# Altium PCB CHAHARDOLI-7 ADAD METAL.PcbDoc (part 5 of 11)
Units mm, origin at the board's own origin, x right, y up, seen from the top; angles counter-clockwise.
Board outline 151 x 86.38 mm, 2 copper layers (Top Layer, Bottom Layer); 1496 components, 81 nets, 3725 pads, 848 vias.
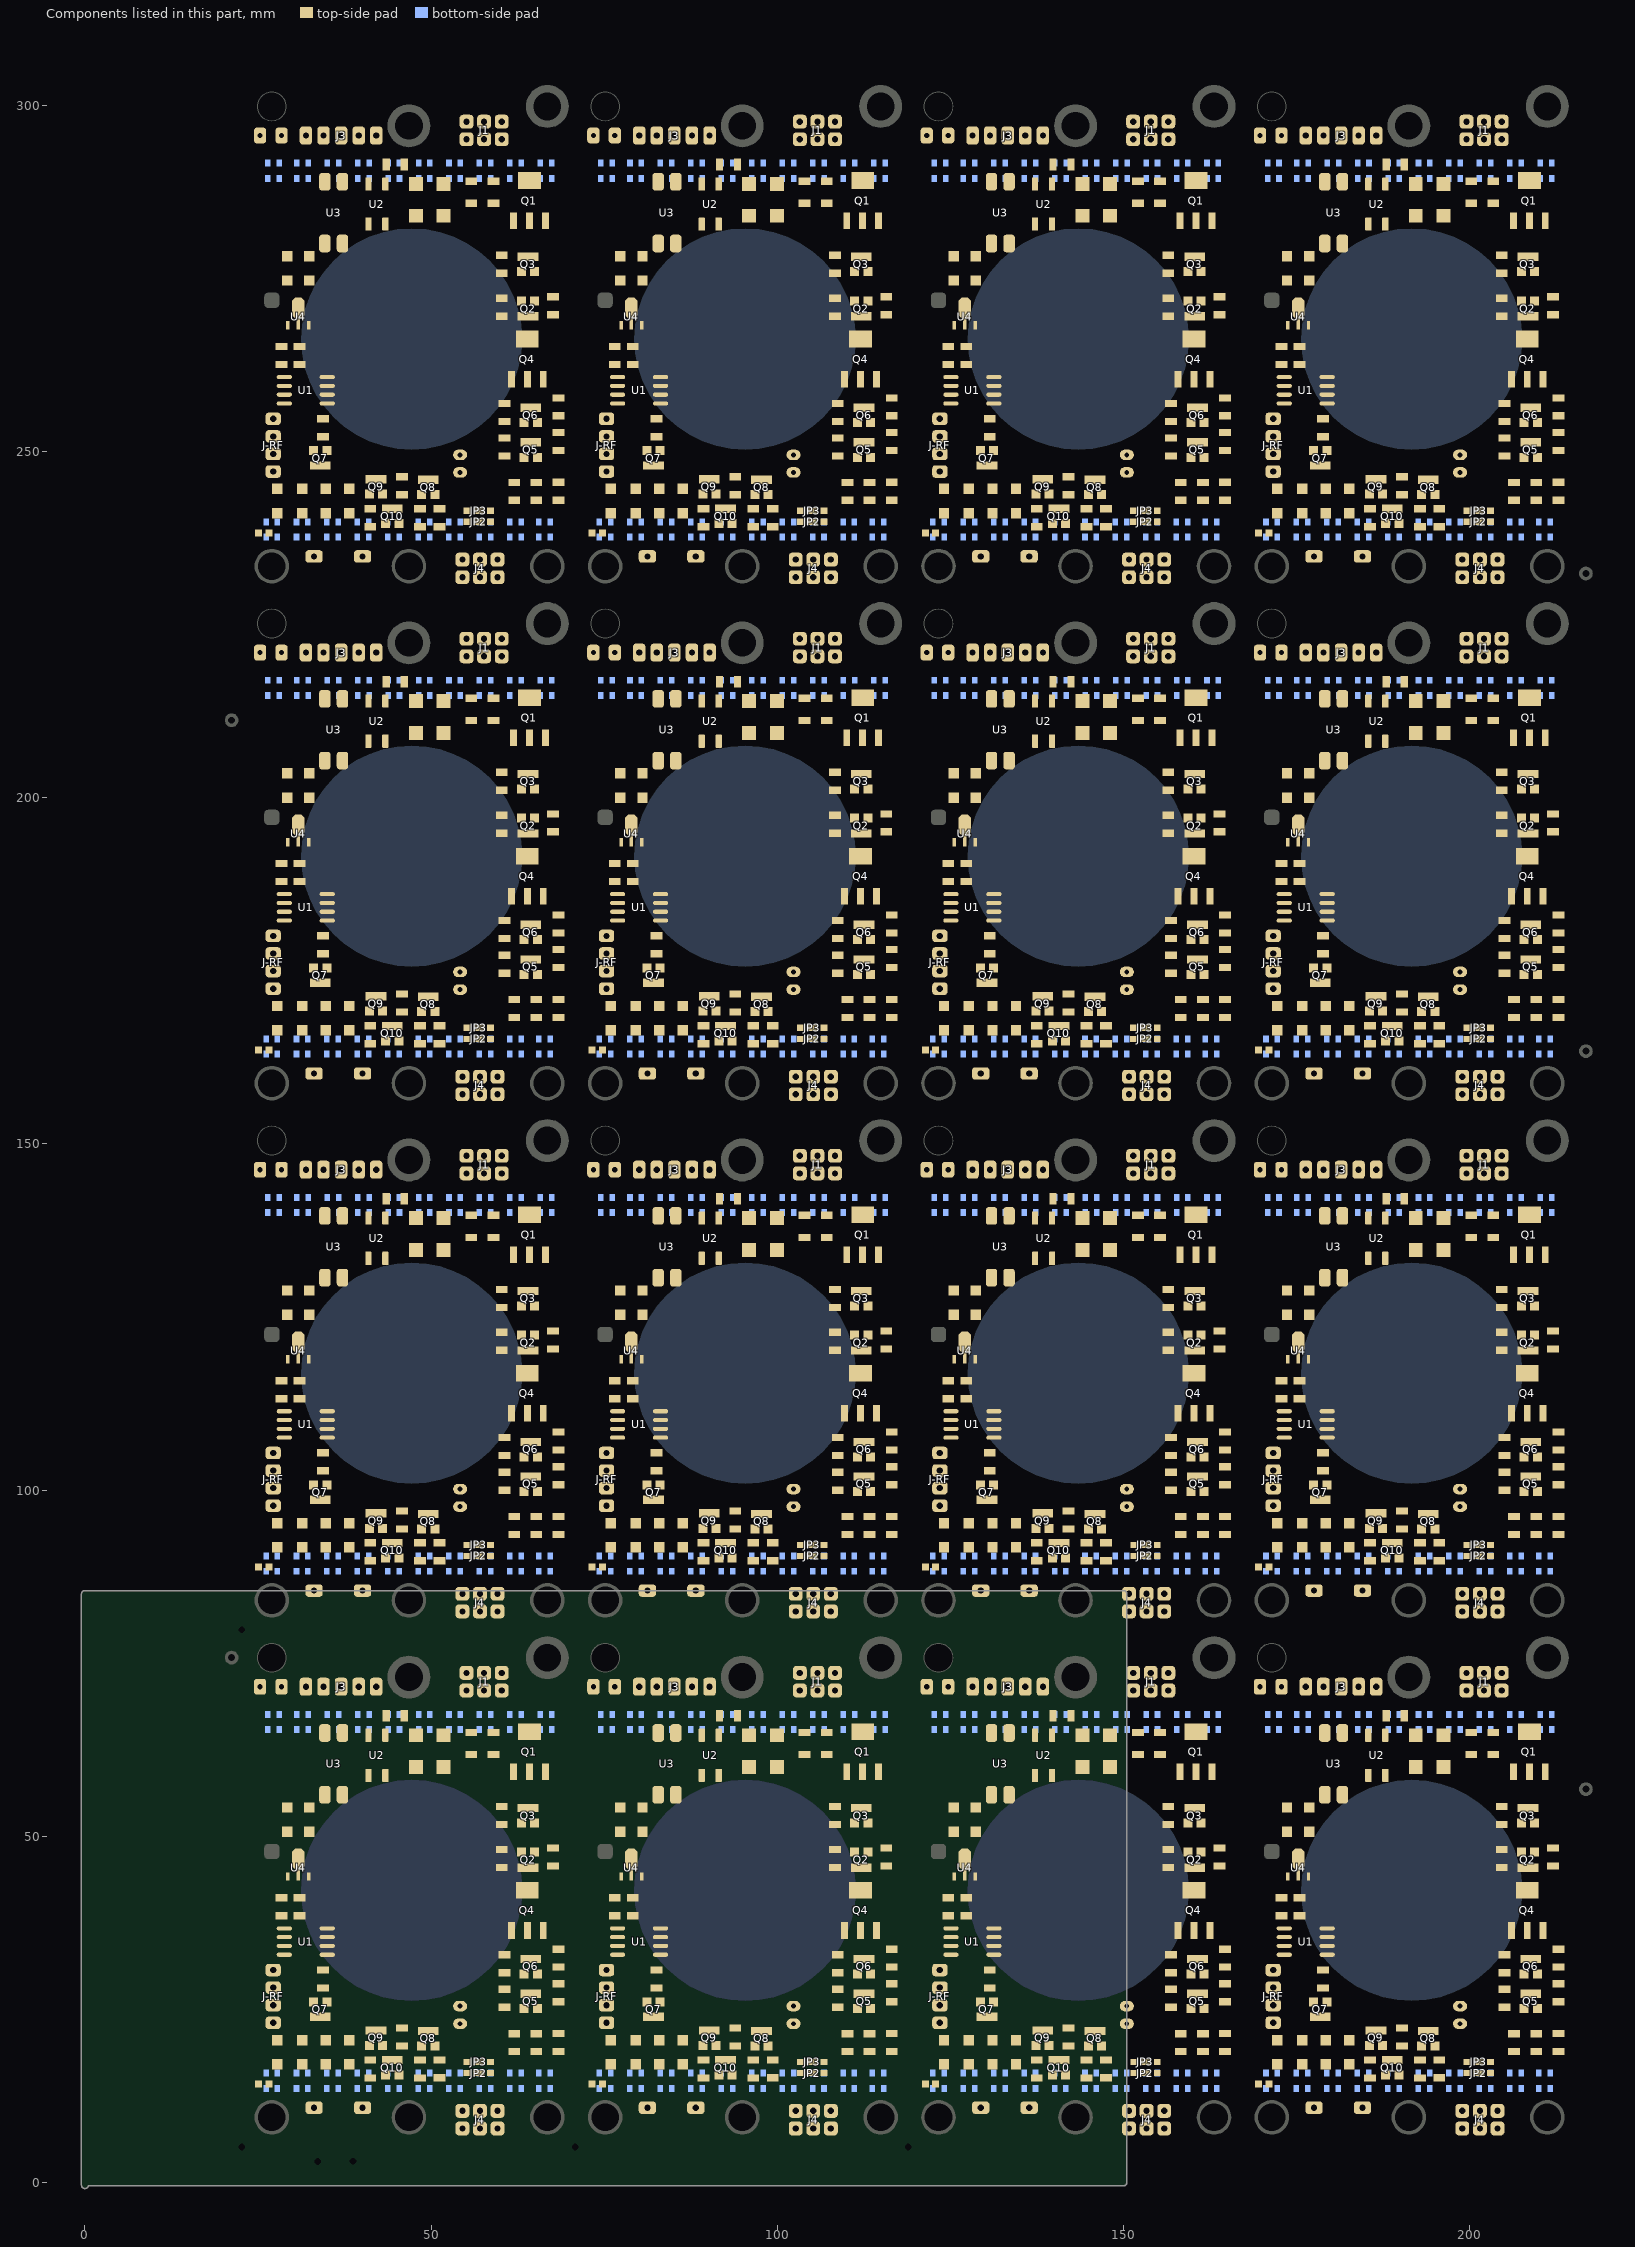
[diagram p5: the components of this part, seen from the top]

## Via types
v1: diameter 1.2, hole 0.6, Top Layer to Bottom Layer, tented both sides, 464 vias
v2: diameter 0.9, hole 0.6, Top Layer to Bottom Layer, tented both sides, 128 vias
v3: diameter 1, hole 0.6, Top Layer to Bottom Layer, tented both sides, 128 vias
v4: diameter 1.27, hole 0.6, Top Layer to Bottom Layer, tented both sides, 112 vias
v5: diameter 1.27, hole 0.711, Top Layer to Bottom Layer, tented both sides, 16 vias

## Nets (pads, with @x,y where several pads share a name; then routed paths per layer and width w, separated by ;. In a path a pad name is that pad's centre, name@x,y a point inside that pad or via, vN(x,y) a via of type N, cw(c..) or ccw(c..) an arc to the next point about the centre after c; other vN are vias at no path point) (continued)
pads on no net: R.1@78.707,90.488 R.1@78.707,165.176 R.1@78.707,239.864 R.1@80.383,65.4 R.1@80.383,140.088 R.1@80.383,214.776 R.1@80.383,289.464 R.1@87.507,15.8 R.1@87.507,90.488 R.1@87.507,165.176 R.1@87.507,239.864 R.1@89.183,65.4 R.1@89.183,140.088 R.1@89.183,214.776 R.1@89.183,289.464 R.1@96.307,15.8 R.1@96.307,90.488 R.1@96.307,165.176 R.1@96.307,239.864 R.1@97.983,65.4 R.1@97.983,140.088 R.1@97.983,214.776 R.1@97.983,289.464 R.1@105.107,15.8 R.1@105.107,90.488 R.1@105.107,165.176 R.1@105.107,239.864 R.1@106.783,65.4 R.1@106.783,140.088 R.1@106.783,214.776 R.1@106.783,289.464 R.1@113.707,15.8 R.1@113.707,90.488 R.1@113.707,165.176 R.1@113.707,239.864 R.1@115.583,65.4 R.1@115.583,140.088 R.1@115.583,214.776 R.1@115.583,289.464 R.1@126.852,15.8 R.1@126.852,90.488 R.1@126.852,165.176 R.1@126.852,239.864 R.1@128.528,65.4 R.1@128.528,140.088 R.1@128.528,214.776 R.1@128.528,289.464 R.1@135.652,15.8 R.1@135.652,90.488 R.1@135.652,165.176 R.1@135.652,239.864 R.1@137.328,65.4 R.1@137.328,140.088 R.1@137.328,214.776 R.1@137.328,289.464 R.1@144.452,15.8 R.1@144.452,90.488 R.1@144.452,165.176 R.1@144.452,239.864 R.1@146.128,65.4 R.1@146.128,140.088 R.1@146.128,214.776 R.1@146.128,289.464 R.1@153.252,15.8 R.1@153.252,90.488 R.1@153.252,165.176 R.1@153.252,239.864 R.1@154.928,65.4 R.1@154.928,140.088 R.1@154.928,214.776 R.1@154.928,289.464 R.1@161.852,15.8 R.1@161.852,90.488 R.1@161.852,165.176 R.1@161.852,239.864 R.1@163.728,65.4 R.1@163.728,140.088 R.1@163.728,214.776 R.1@163.728,289.464 R.1@174.997,15.8 R.1@174.997,90.488 R.1@174.997,165.176 R.1@174.997,239.864 R.1@176.674,65.4 R.1@176.674,140.088 R.1@176.674,214.776 R.1@176.674,289.464 R.1@183.797,15.8 R.1@183.797,90.488 R.1@183.797,165.176 R.1@183.797,239.864 R.1@185.474,65.4 R.1@185.474,140.088 R.1@185.474,214.776 R.1@185.474,289.464 R.1@192.597,15.8 R.1@192.597,90.488 R.1@192.597,165.176 R.1@192.597,239.864 R.1@194.274,65.4 R.1@194.274,140.088 R.1@194.274,214.776 R.1@194.274,289.464 R.1@201.397,15.8 R.1@201.397,90.488 R.1@201.397,165.176 R.1@201.397,239.864 R.1@203.074,65.4 R.1@203.074,140.088 R.1@203.074,214.776 R.1@203.074,289.464 R.1@209.997,15.8 R.1@209.997,90.488 R.1@209.997,165.176 R.1@209.997,239.864 R.1@211.874,65.4 R.1@211.874,140.088 R.1@211.874,214.776 R.1@211.874,289.464 R.2@30.588,140.088 R.2@30.588,214.776 R.2@30.588,289.464 R.2@32.212,90.488 R.2@32.212,165.176 R.2@32.212,239.864 R.2@39.388,140.088 R.2@39.388,214.776 R.2@39.388,289.464 R.2@41.012,90.488 R.2@41.012,165.176 R.2@41.012,239.864 R.2@48.188,140.088 R.2@48.188,214.776 R.2@48.188,289.464 R.2@49.812,90.488 R.2@49.812,165.176 R.2@49.812,239.864 R.2@56.988,140.088 R.2@56.988,214.776 R.2@56.988,289.464 R.2@58.612,90.488 R.2@58.612,165.176 R.2@58.612,239.864 R.2@65.788,140.088 R.2@65.788,214.776 R.2@65.788,289.464 R.2@67.212,90.488 R.2@67.212,165.176 R.2@67.212,239.864 R.2@78.733,65.4 R.2@78.733,140.088 R.2@78.733,214.776 R.2@78.733,289.464 R.2@80.357,15.8 R.2@80.357,90.488 R.2@80.357,165.176 R.2@80.357,239.864 R.2@87.533,65.4 R.2@87.533,140.088 R.2@87.533,214.776 R.2@87.533,289.464 R.2@89.157,15.8 R.2@89.157,90.488 R.2@89.157,165.176 R.2@89.157,239.864 R.2@96.333,65.4 R.2@96.333,140.088 R.2@96.333,214.776 R.2@96.333,289.464 R.2@97.957,15.8 R.2@97.957,90.488 R.2@97.957,165.176 R.2@97.957,239.864 R.2@105.133,65.4 R.2@105.133,140.088 R.2@105.133,214.776 R.2@105.133,289.464 R.2@106.757,15.8 R.2@106.757,90.488 R.2@106.757,165.176 R.2@106.757,239.864 R.2@113.933,65.4 R.2@113.933,140.088 R.2@113.933,214.776 R.2@113.933,289.464 R.2@115.357,15.8 R.2@115.357,90.488 R.2@115.357,165.176 R.2@115.357,239.864 R.2@126.878,65.4 R.2@126.878,140.088 R.2@126.878,214.776 R.2@126.878,289.464 R.2@128.502,15.8 R.2@128.502,90.488 R.2@128.502,165.176 R.2@128.502,239.864 R.2@135.678,65.4 R.2@135.678,140.088 R.2@135.678,214.776 R.2@135.678,289.464 R.2@137.302,15.8 R.2@137.302,90.488 R.2@137.302,165.176 R.2@137.302,239.864 R.2@144.478,65.4 R.2@144.478,140.088 R.2@144.478,214.776 R.2@144.478,289.464 R.2@146.102,15.8 R.2@146.102,90.488 R.2@146.102,165.176 R.2@146.102,239.864 R.2@153.278,65.4 R.2@153.278,140.088 R.2@153.278,214.776 R.2@153.278,289.464 R.2@154.902,15.8 R.2@154.902,90.488 R.2@154.902,165.176 R.2@154.902,239.864 R.2@162.078,65.4 R.2@162.078,140.088 R.2@162.078,214.776 R.2@162.078,289.464 R.2@163.502,15.8 R.2@163.502,90.488 R.2@163.502,165.176 R.2@163.502,239.864 R.2@175.024,65.4 R.2@175.024,140.088 R.2@175.024,214.776 R.2@175.024,289.464 R.2@176.647,15.8 R.2@176.647,90.488 R.2@176.647,165.176 R.2@176.647,239.864 R.2@183.824,65.4 R.2@183.824,140.088 R.2@183.824,214.776 R.2@183.824,289.464 R.2@185.447,15.8 R.2@185.447,90.488 R.2@185.447,165.176 R.2@185.447,239.864 R.2@192.624,65.4 R.2@192.624,140.088 R.2@192.624,214.776 R.2@192.624,289.464 R.2@194.247,15.8 R.2@194.247,90.488 R.2@194.247,165.176 R.2@194.247,239.864 R.2@201.424,65.4 R.2@201.424,140.088 R.2@201.424,214.776 R.2@201.424,289.464 R.2@203.047,15.8 R.2@203.047,90.488 R.2@203.047,165.176 R.2@203.047,239.864 R.2@210.224,65.4 R.2@210.224,140.088 R.2@210.224,214.776 R.2@210.224,289.464 R.2@211.647,15.8 R.2@211.647,90.488 R.2@211.647,165.176 R.2@211.647,239.864 U1.1@35,107.583 U1.1@35,182.271 U1.1@35,256.959 U1.1@83.145,32.895 U1.1@83.145,107.583 U1.1@83.145,182.271 U1.1@83.145,256.959 U1.1@131.29,32.895 U1.1@131.29,107.583 U1.1@131.29,182.271 U1.1@131.29,256.959 U1.1@179.435,32.895 U1.1@179.435,107.583 U1.1@179.435,182.271 U1.1@179.435,256.959 U1.2@35,108.853 U1.2@35,183.541 U1.2@35,258.229 U1.2@83.145,34.165 U1.2@83.145,108.853 U1.2@83.145,183.541 U1.2@83.145,258.229 U1.2@131.29,34.165 U1.2@131.29,108.853 U1.2@131.29,183.541 U1.2@131.29,258.229 U1.2@179.435,34.165 U1.2@179.435,108.853 U1.2@179.435,183.541 U1.2@179.435,258.229 U1.3 U1.4@35,111.393 U1.4@35,186.081 U1.4@35,260.769 U1.4@83.145,36.705 U1.4@83.145,111.393 U1.4@83.145,186.081 U1.4@83.145,260.769 U1.4@131.29,36.705 U1.4@131.29,111.393 U1.4@131.29,186.081 U1.4@131.29,260.769 U1.4@179.435,36.705 U1.4@179.435,111.393 U1.4@179.435,186.081 U1.4@179.435,260.769 U1.5@28.8,111.393 U1.5@28.8,186.081 U1.5@28.8,260.769 U1.5@76.945,36.705 U1.5@76.945,111.393 U1.5@76.945,186.081 U1.5@76.945,260.769 U1.5@125.09,36.705 U1.5@125.09,111.393 U1.5@125.09,186.081 U1.5@125.09,260.769 U1.5@173.235,36.705 U1.5@173.235,111.393 U1.5@173.235,186.081 U1.5@173.235,260.769 U1.6@28.8,110.123 U1.6@28.8,184.811 U1.6@28.8,259.499 U1.6@76.945,35.435 U1.6@76.945,110.123 U1.6@76.945,184.811 U1.6@76.945,259.499 U1.6@125.09,35.435 U1.6@125.09,110.123 U1.6@125.09,184.811 U1.6@125.09,259.499 U1.6@173.235,35.435 U1.6@173.235,110.123 U1.6@173.235,184.811 U1.6@173.235,259.499 U1.7@28.8,108.853 U1.7@28.8,183.541 U1.7@28.8,258.229 U1.7@76.945,34.165 U1.7@76.945,108.853 U1.7@76.945,183.541 U1.7@76.945,258.229 U1.7@125.09,34.165 U1.7@125.09,108.853 U1.7@125.09,183.541 U1.7@125.09,258.229 U1.7@173.235,34.165 U1.7@173.235,108.853 U1.7@173.235,183.541 U1.7@173.235,258.229 U1.8@28.8,107.583 U1.8@28.8,182.271 U1.8@28.8,256.959 U1.8@76.945,32.895 U1.8@76.945,107.583 U1.8@76.945,182.271 U1.8@76.945,256.959 U1.8@125.09,32.895 U1.8@125.09,107.583 U1.8@125.09,182.271 U1.8@125.09,256.959 U1.8@173.235,32.895 U1.8@173.235,107.583 U1.8@173.235,182.271 U1.8@173.235,256.959 U2.1@40.95,133.488 U2.1@40.95,208.176 U2.1@40.95,282.864 U2.1@89.095,58.8 U2.1@89.095,133.488 U2.1@89.095,208.176 U2.1@89.095,282.864 U2.1@137.24,58.8 U2.1@137.24,133.488 U2.1@137.24,208.176 U2.1@137.24,282.864 U2.1@185.385,58.8 U2.1@185.385,133.488 U2.1@185.385,208.176 U2.1@185.385,282.864 U2.2@43.4,133.488 U2.2@43.4,208.176 U2.2@43.4,282.864 U2.2@91.545,58.8 U2.2@91.545,133.488 U2.2@91.545,208.176 U2.2@91.545,282.864 U2.2@139.69,58.8 U2.2@139.69,133.488 U2.2@139.69,208.176 U2.2@139.69,282.864 U2.2@187.835,58.8 U2.2@187.835,133.488 U2.2@187.835,208.176 U2.2@187.835,282.864 U2.3@43.4,139.288 U2.3@43.4,213.976 U2.3@43.4,288.664 U2.3@91.545,64.6 U2.3@91.545,139.288 U2.3@91.545,213.976 U2.3@91.545,288.664 U2.3@139.69,64.6 U2.3@139.69,139.288 U2.3@139.69,213.976 U2.3@139.69,288.664 U2.3@187.835,64.6 U2.3@187.835,139.288 U2.3@187.835,213.976 U2.3@187.835,288.664 U2.4@40.95,139.288 U2.4@40.95,213.976 U2.4@40.95,288.664 U2.4@89.095,64.6 U2.4@89.095,139.288 U2.4@89.095,213.976 U2.4@89.095,288.664 U2.4@137.24,64.6 U2.4@137.24,139.288 U2.4@137.24,213.976 U2.4@137.24,288.664 U2.4@185.385,64.6 U2.4@185.385,139.288 U2.4@185.385,213.976 U2.4@185.385,288.664 U3.1@34.66,130.688 U3.1@34.66,205.376 U3.1@34.66,280.064 U3.1@82.805,56 U3.1@82.805,130.688 U3.1@82.805,205.376 U3.1@82.805,280.064 U3.1@130.95,56 U3.1@130.95,130.688 U3.1@130.95,205.376 U3.1@130.95,280.064 U3.1@179.095,56 U3.1@179.095,130.688 U3.1@179.095,205.376 U3.1@179.095,280.064 U3.2@37.2,130.688 U3.2@37.2,205.376 U3.2@37.2,280.064 U3.2@85.345,56 U3.2@85.345,130.688 U3.2@85.345,205.376 U3.2@85.345,280.064 U3.2@133.49,56 U3.2@133.49,130.688 U3.2@133.49,205.376 U3.2@133.49,280.064 U3.2@181.635,56 U3.2@181.635,130.688 U3.2@181.635,205.376 U3.2@181.635,280.064 U3.3@37.2,139.608 U3.3@37.2,214.296 U3.3@37.2,288.984 U3.3@85.345,64.92 U3.3@85.345,139.608 U3.3@85.345,214.296 U3.3@85.345,288.984 U3.3@133.49,64.92 U3.3@133.49,139.608 U3.3@133.49,214.296 U3.3@133.49,288.984 U3.3@181.635,64.92 U3.3@181.635,139.608 U3.3@181.635,214.296 U3.3@181.635,288.984 U3.4@34.66,139.608 U3.4@34.66,214.296 U3.4@34.66,288.984 U3.4@82.805,64.92 U3.4@82.805,139.608 U3.4@82.805,214.296 U3.4@82.805,288.984 U3.4@130.95,64.92 U3.4@130.95,139.608 U3.4@130.95,214.296 U3.4@130.95,288.984 U3.4@179.095,64.92 U3.4@179.095,139.608 U3.4@179.095,214.296 U3.4@179.095,288.984 U4.1@29.3,118.888 U4.1@29.3,193.576 U4.1@29.3,268.264 U4.1@77.445,44.2 U4.1@77.445,118.888 U4.1@77.445,193.576 U4.1@77.445,268.264 U4.1@125.59,44.2 U4.1@125.59,118.888 U4.1@125.59,193.576 U4.1@125.59,268.264 U4.1@173.735,44.2 U4.1@173.735,118.888 U4.1@173.735,193.576 U4.1@173.735,268.264 U4.2@30.8,119.088 U4.2@30.8,121.388 U4.2@30.8,193.776 U4.2@30.8,196.076 U4.2@30.8,268.464 U4.2@30.8,270.764 U4.2@78.945,44.4 U4.2@78.945,46.7 U4.2@78.945,119.088 U4.2@78.945,121.388 U4.2@78.945,193.776 U4.2@78.945,196.076 U4.2@78.945,268.464 U4.2@78.945,270.764 U4.2@127.09,44.4 U4.2@127.09,46.7 U4.2@127.09,119.088 U4.2@127.09,121.388 U4.2@127.09,193.776 U4.2@127.09,196.076 U4.2@127.09,268.464 U4.2@127.09,270.764 U4.2@175.235,44.4 U4.2@175.235,46.7 U4.2@175.235,119.088 U4.2@175.235,121.388 U4.2@175.235,193.776 U4.2@175.235,196.076 U4.2@175.235,268.464 U4.2@175.235,270.764 U4.3@32.3,118.888 U4.3@32.3,193.576 U4.3@32.3,268.264 U4.3@80.445,44.2 U4.3@80.445,118.888 U4.3@80.445,193.576 U4.3@80.445,268.264 U4.3@128.59,44.2 U4.3@128.59,118.888 U4.3@128.59,193.576 U4.3@128.59,268.264 U4.3@176.735,44.2 U4.3@176.735,118.888 U4.3@176.735,193.576 U4.3@176.735,268.264 w.1@26.162,88.288 w.1@26.162,162.976 w.1@26.162,237.664 w.1@28.038,142.288 w.1@28.038,216.976 w.1@28.038,291.664 w.1@34.962,88.288 w.1@34.962,162.976 w.1@34.962,237.664 w.1@36.638,142.288 w.1@36.638,216.976 w.1@36.638,291.664 w.1@43.762,88.288 w.1@43.762,162.976 w.1@43.762,237.664 w.1@45.438,142.288 w.1@45.438,216.976 w.1@45.438,291.664 w.1@52.562,88.288 w.1@52.562,162.976 w.1@52.562,237.664 w.1@54.238,142.288 w.1@54.238,216.976 w.1@54.238,291.664 w.1@61.362,88.288 w.1@61.362,162.976 w.1@61.362,237.664 w.1@63.038,142.288 w.1@63.038,216.976 w.1@63.038,291.664 w.1@74.307,13.6 w.1@74.307,88.288 w.1@74.307,162.976 w.1@74.307,237.664 w.1@76.183,67.6 w.1@76.183,142.288 w.1@76.183,216.976 w.1@76.183,291.664 w.1@83.107,13.6 w.1@83.107,88.288 w.1@83.107,162.976 w.1@83.107,237.664 w.1@84.783,67.6 w.1@84.783,142.288 w.1@84.783,216.976 w.1@84.783,291.664 w.1@91.907,13.6 w.1@91.907,88.288 w.1@91.907,162.976 w.1@91.907,237.664 w.1@93.583,67.6 w.1@93.583,142.288 w.1@93.583,216.976 w.1@93.583,291.664 w.1@100.707,13.6 w.1@100.707,88.288 w.1@100.707,162.976 w.1@100.707,237.664 w.1@102.383,67.6 w.1@102.383,142.288 w.1@102.383,216.976 w.1@102.383,291.664 w.1@109.507,13.6 w.1@109.507,88.288 w.1@109.507,162.976 w.1@109.507,237.664 w.1@111.183,67.6 w.1@111.183,142.288 w.1@111.183,216.976 w.1@111.183,291.664 w.1@122.452,13.6 w.1@122.452,88.288 w.1@122.452,162.976 w.1@122.452,237.664 w.1@124.328,67.6 w.1@124.328,142.288 w.1@124.328,216.976 w.1@124.328,291.664 w.1@131.252,13.6 w.1@131.252,88.288 w.1@131.252,162.976 w.1@131.252,237.664 w.1@132.928,67.6 w.1@132.928,142.288 w.1@132.928,216.976 w.1@132.928,291.664 w.1@140.052,13.6 w.1@140.052,88.288 w.1@140.052,162.976 w.1@140.052,237.664 w.1@141.728,67.6 w.1@141.728,142.288 w.1@141.728,216.976 w.1@141.728,291.664 w.1@148.852,13.6 w.1@148.852,88.288 w.1@148.852,162.976 w.1@148.852,237.664 w.1@150.528,67.6 w.1@150.528,142.288 w.1@150.528,216.976 w.1@150.528,291.664 w.1@157.652,13.6 w.1@157.652,88.288 w.1@157.652,162.976 w.1@157.652,237.664 w.1@159.328,67.6 w.1@159.328,142.288 w.1@159.328,216.976 w.1@159.328,291.664 w.1@170.597,13.6 w.1@170.597,88.288 w.1@170.597,162.976 w.1@170.597,237.664 w.1@172.474,67.6 w.1@172.474,142.288 w.1@172.474,216.976 w.1@172.474,291.664 w.1@179.397,13.6 w.1@179.397,88.288 w.1@179.397,162.976 w.1@179.397,237.664 w.1@181.074,67.6 w.1@181.074,142.288 w.1@181.074,216.976 w.1@181.074,291.664 w.1@188.197,13.6 w.1@188.197,88.288 w.1@188.197,162.976 w.1@188.197,237.664 w.1@189.874,67.6 w.1@189.874,142.288 w.1@189.874,216.976 w.1@189.874,291.664 w.1@196.997,13.6 w.1@196.997,88.288 w.1@196.997,162.976 w.1@196.997,237.664 w.1@198.674,67.6 w.1@198.674,142.288 w.1@198.674,216.976 w.1@198.674,291.664 w.1@205.797,13.6 w.1@205.797,88.288 w.1@205.797,162.976 w.1@205.797,237.664 w.1@207.474,67.6 w.1@207.474,142.288 w.1@207.474,216.976 w.1@207.474,291.664 w.2@26.388,142.288 w.2@26.388,216.976 w.2@26.388,291.664 w.2@27.812,88.288 w.2@27.812,162.976 w.2@27.812,237.664 w.2@34.988,142.288 w.2@34.988,216.976 w.2@34.988,291.664 w.2@36.612,88.288 w.2@36.612,162.976 w.2@36.612,237.664 w.2@43.788,142.288 w.2@43.788,216.976 w.2@43.788,291.664 w.2@45.412,88.288 w.2@45.412,162.976 w.2@45.412,237.664 w.2@52.588,142.288 w.2@52.588,216.976 w.2@52.588,291.664 w.2@54.212,88.288 w.2@54.212,162.976 w.2@54.212,237.664 w.2@61.388,142.288 w.2@61.388,216.976 w.2@61.388,291.664 w.2@63.012,88.288 w.2@63.012,162.976 w.2@63.012,237.664 w.2@74.533,67.6 w.2@74.533,142.288 w.2@74.533,216.976 w.2@74.533,291.664 w.2@75.957,13.6 w.2@75.957,88.288 w.2@75.957,162.976 w.2@75.957,237.664 w.2@83.133,67.6 w.2@83.133,142.288 w.2@83.133,216.976 w.2@83.133,291.664 w.2@84.757,13.6 w.2@84.757,88.288 w.2@84.757,162.976 w.2@84.757,237.664 w.2@91.933,67.6 w.2@91.933,142.288 w.2@91.933,216.976 w.2@91.933,291.664 w.2@93.557,13.6 w.2@93.557,88.288 w.2@93.557,162.976 w.2@93.557,237.664 w.2@100.733,67.6 w.2@100.733,142.288 w.2@100.733,216.976 w.2@100.733,291.664 w.2@102.357,13.6 w.2@102.357,88.288 w.2@102.357,162.976 w.2@102.357,237.664 w.2@109.533,67.6 w.2@109.533,142.288 w.2@109.533,216.976 w.2@109.533,291.664 w.2@111.157,13.6 w.2@111.157,88.288 w.2@111.157,162.976 w.2@111.157,237.664 w.2@122.678,67.6 w.2@122.678,142.288 w.2@122.678,216.976 w.2@122.678,291.664 w.2@124.102,13.6 w.2@124.102,88.288 w.2@124.102,162.976 w.2@124.102,237.664 w.2@131.278,67.6 w.2@131.278,142.288 w.2@131.278,216.976 w.2@131.278,291.664 w.2@132.902,13.6 w.2@132.902,88.288 w.2@132.902,162.976 w.2@132.902,237.664 w.2@140.078,67.6 w.2@140.078,142.288 w.2@140.078,216.976 w.2@140.078,291.664 w.2@141.702,13.6 w.2@141.702,88.288 w.2@141.702,162.976 w.2@141.702,237.664 w.2@148.878,67.6 w.2@148.878,142.288 w.2@148.878,216.976 w.2@148.878,291.664 w.2@150.502,13.6 w.2@150.502,88.288 w.2@150.502,162.976 w.2@150.502,237.664 w.2@157.678,67.6 w.2@157.678,142.288 w.2@157.678,216.976 w.2@157.678,291.664 w.2@159.302,13.6 w.2@159.302,88.288 w.2@159.302,162.976 w.2@159.302,237.664 w.2@170.824,67.6 w.2@170.824,142.288 w.2@170.824,216.976 w.2@170.824,291.664 w.2@172.247,13.6 w.2@172.247,88.288 w.2@172.247,162.976 w.2@172.247,237.664 w.2@179.424,67.6 w.2@179.424,142.288 w.2@179.424,216.976 w.2@179.424,291.664 w.2@181.047,13.6 w.2@181.047,88.288 w.2@181.047,162.976 w.2@181.047,237.664 w.2@188.224,67.6 w.2@188.224,142.288 w.2@188.224,216.976 w.2@188.224,291.664 w.2@189.847,13.6 w.2@189.847,88.288 w.2@189.847,162.976 w.2@189.847,237.664 w.2@197.024,67.6 w.2@197.024,142.288 w.2@197.024,216.976 w.2@197.024,291.664 w.2@198.647,13.6 w.2@198.647,88.288 w.2@198.647,162.976 w.2@198.647,237.664 w.2@205.824,67.6 w.2@205.824,142.288 w.2@205.824,216.976 w.2@205.824,291.664 w.2@207.447,13.6 w.2@207.447,88.288 w.2@207.447,162.976 w.2@207.447,237.664
copper on no net: | length 34612.5
  Top Layer w0.4: v1(25.25,136.024) 27.247,134.027 27.247,133.441 v1(27.4,133.288) ; v1(25.25,210.712) 27.247,208.715 27.247,208.129 v1(27.4,207.976) ; v1(25.25,285.4) 27.247,283.403 27.247,282.817 v1(27.4,282.664) ; v1(26.6,137.488) 26.753,137.335 26.753,136.935 28.447,135.241 28.447,134.841 v1(28.6,134.688) ; v1(26.6,212.176) 26.753,212.023 26.753,211.623 28.447,209.929 28.447,209.529 v1(28.6,209.376) ; v1(26.6,286.864) 26.753,286.711 26.753,286.311 28.447,284.617 28.447,284.217 v1(28.6,284.064) ; v1(34.6,112.888) 34.6,112.688 v1@34.8,112.488 ; v1(34.6,187.576) 34.6,187.376 v1@34.8,187.176 ; v1(34.6,262.264) 34.6,262.064 v1@34.8,261.864 ; v1(73.395,61.336) 75.392,59.339 75.392,58.753 v1(75.545,58.6) ; v1(73.395,136.024) 75.392,134.027 75.392,133.441 v1(75.545,133.288) ; v1(73.395,210.712) 75.392,208.715 75.392,208.129 v1(75.545,207.976) ; v1(73.395,285.4) 75.392,283.403 75.392,282.817 v1(75.545,282.664) ; v1(74.745,62.8) 74.898,62.647 74.898,62.247 76.592,60.553 76.592,60.153 v1(76.745,60) ; v1(74.745,137.488) 74.898,137.335 74.898,136.935 76.592,135.241 76.592,134.841 v1(76.745,134.688) ; v1(74.745,212.176) 74.898,212.023 74.898,211.623 76.592,209.929 76.592,209.529 v1(76.745,209.376) ; v1(74.745,286.864) 74.898,286.711 74.898,286.311 76.592,284.617 76.592,284.217 v1(76.745,284.064) ; v1(82.745,38.2) 82.745,38 v1@82.945,37.8 ; v1(82.745,112.888) 82.745,112.688 v1@82.945,112.488 ; v1(82.745,187.576) 82.745,187.376 v1@82.945,187.176 ; v1(82.745,262.264) 82.745,262.064 v1@82.945,261.864 ; v1(121.54,61.336) 123.537,59.339 123.537,58.753 v1(123.69,58.6) ; v1(121.54,136.024) 123.537,134.027 123.537,133.441 v1(123.69,133.288) ; v1(121.54,210.712) 123.537,208.715 123.537,208.129 v1(123.69,207.976) ; v1(121.54,285.4) 123.537,283.403 123.537,282.817 v1(123.69,282.664) ; v1(122.89,62.8) 123.043,62.647 123.043,62.247 124.737,60.553 124.737,60.153 v1(124.89,60) ; v1(122.89,137.488) 123.043,137.335 123.043,136.935 124.737,135.241 124.737,134.841 v1(124.89,134.688) ; v1(122.89,212.176) 123.043,212.023 123.043,211.623 124.737,209.929 124.737,209.529 v1(124.89,209.376) ; v1(122.89,286.864) 123.043,286.711 123.043,286.311 124.737,284.617 124.737,284.217 v1(124.89,284.064) ; v1(130.89,38.2) 130.89,38 v1@131.09,37.8 ; v1(130.89,112.888) 130.89,112.688 v1@131.09,112.488 ; v1(130.89,187.576) 130.89,187.376 v1@131.09,187.176 ; v1(130.89,262.264) 130.89,262.064 v1@131.09,261.864 ; v1(169.685,136.024) 171.682,134.027 171.682,133.441 v1(171.835,133.288) ; v1(169.685,210.712) 171.682,208.715 171.682,208.129 v1(171.835,207.976) ; v1(169.685,285.4) 171.682,283.403 171.682,282.817 v1(171.835,282.664) ; v1(169.685,61.336) 171.682,59.339 171.682,58.753 v1(171.835,58.6) ; v1(171.035,62.8) 171.188,62.647 171.188,62.247 172.882,60.553 172.882,60.153 v1(173.035,60) ; v1(171.035,137.488) 171.188,137.335 171.188,136.935 172.882,135.241 172.882,134.841 v1(173.035,134.688) ; v1(171.035,212.176) 171.188,212.023 171.188,211.623 172.882,209.929 172.882,209.529 v1(173.035,209.376) ; v1(171.035,286.864) 171.188,286.711 171.188,286.311 172.882,284.617 172.882,284.217 v1(173.035,284.064) ; v1(179.035,38.2) 179.035,38 v1@179.235,37.8 ; v1(179.035,112.888) 179.035,112.688 v1@179.235,112.488 ; v1(179.035,187.576) 179.035,187.376 v1@179.235,187.176 ; v1(179.035,262.264) 179.035,262.064 v1@179.235,261.864